# Altium PCB radxa_nx4_io_board_v1.11.PcbDoc (part 12 of 13)
Units mil, origin at the board's own origin, x right, y up, seen from the top; angles counter-clockwise.
Board outline 3937.01 x 3110.23 mil, 6 copper layers (TOP, GND02, ART03, ART04, GND05, BOTTOM), stack 47.2 mil thick; 639 components, 522 nets, 2442 pads, 1896 vias.
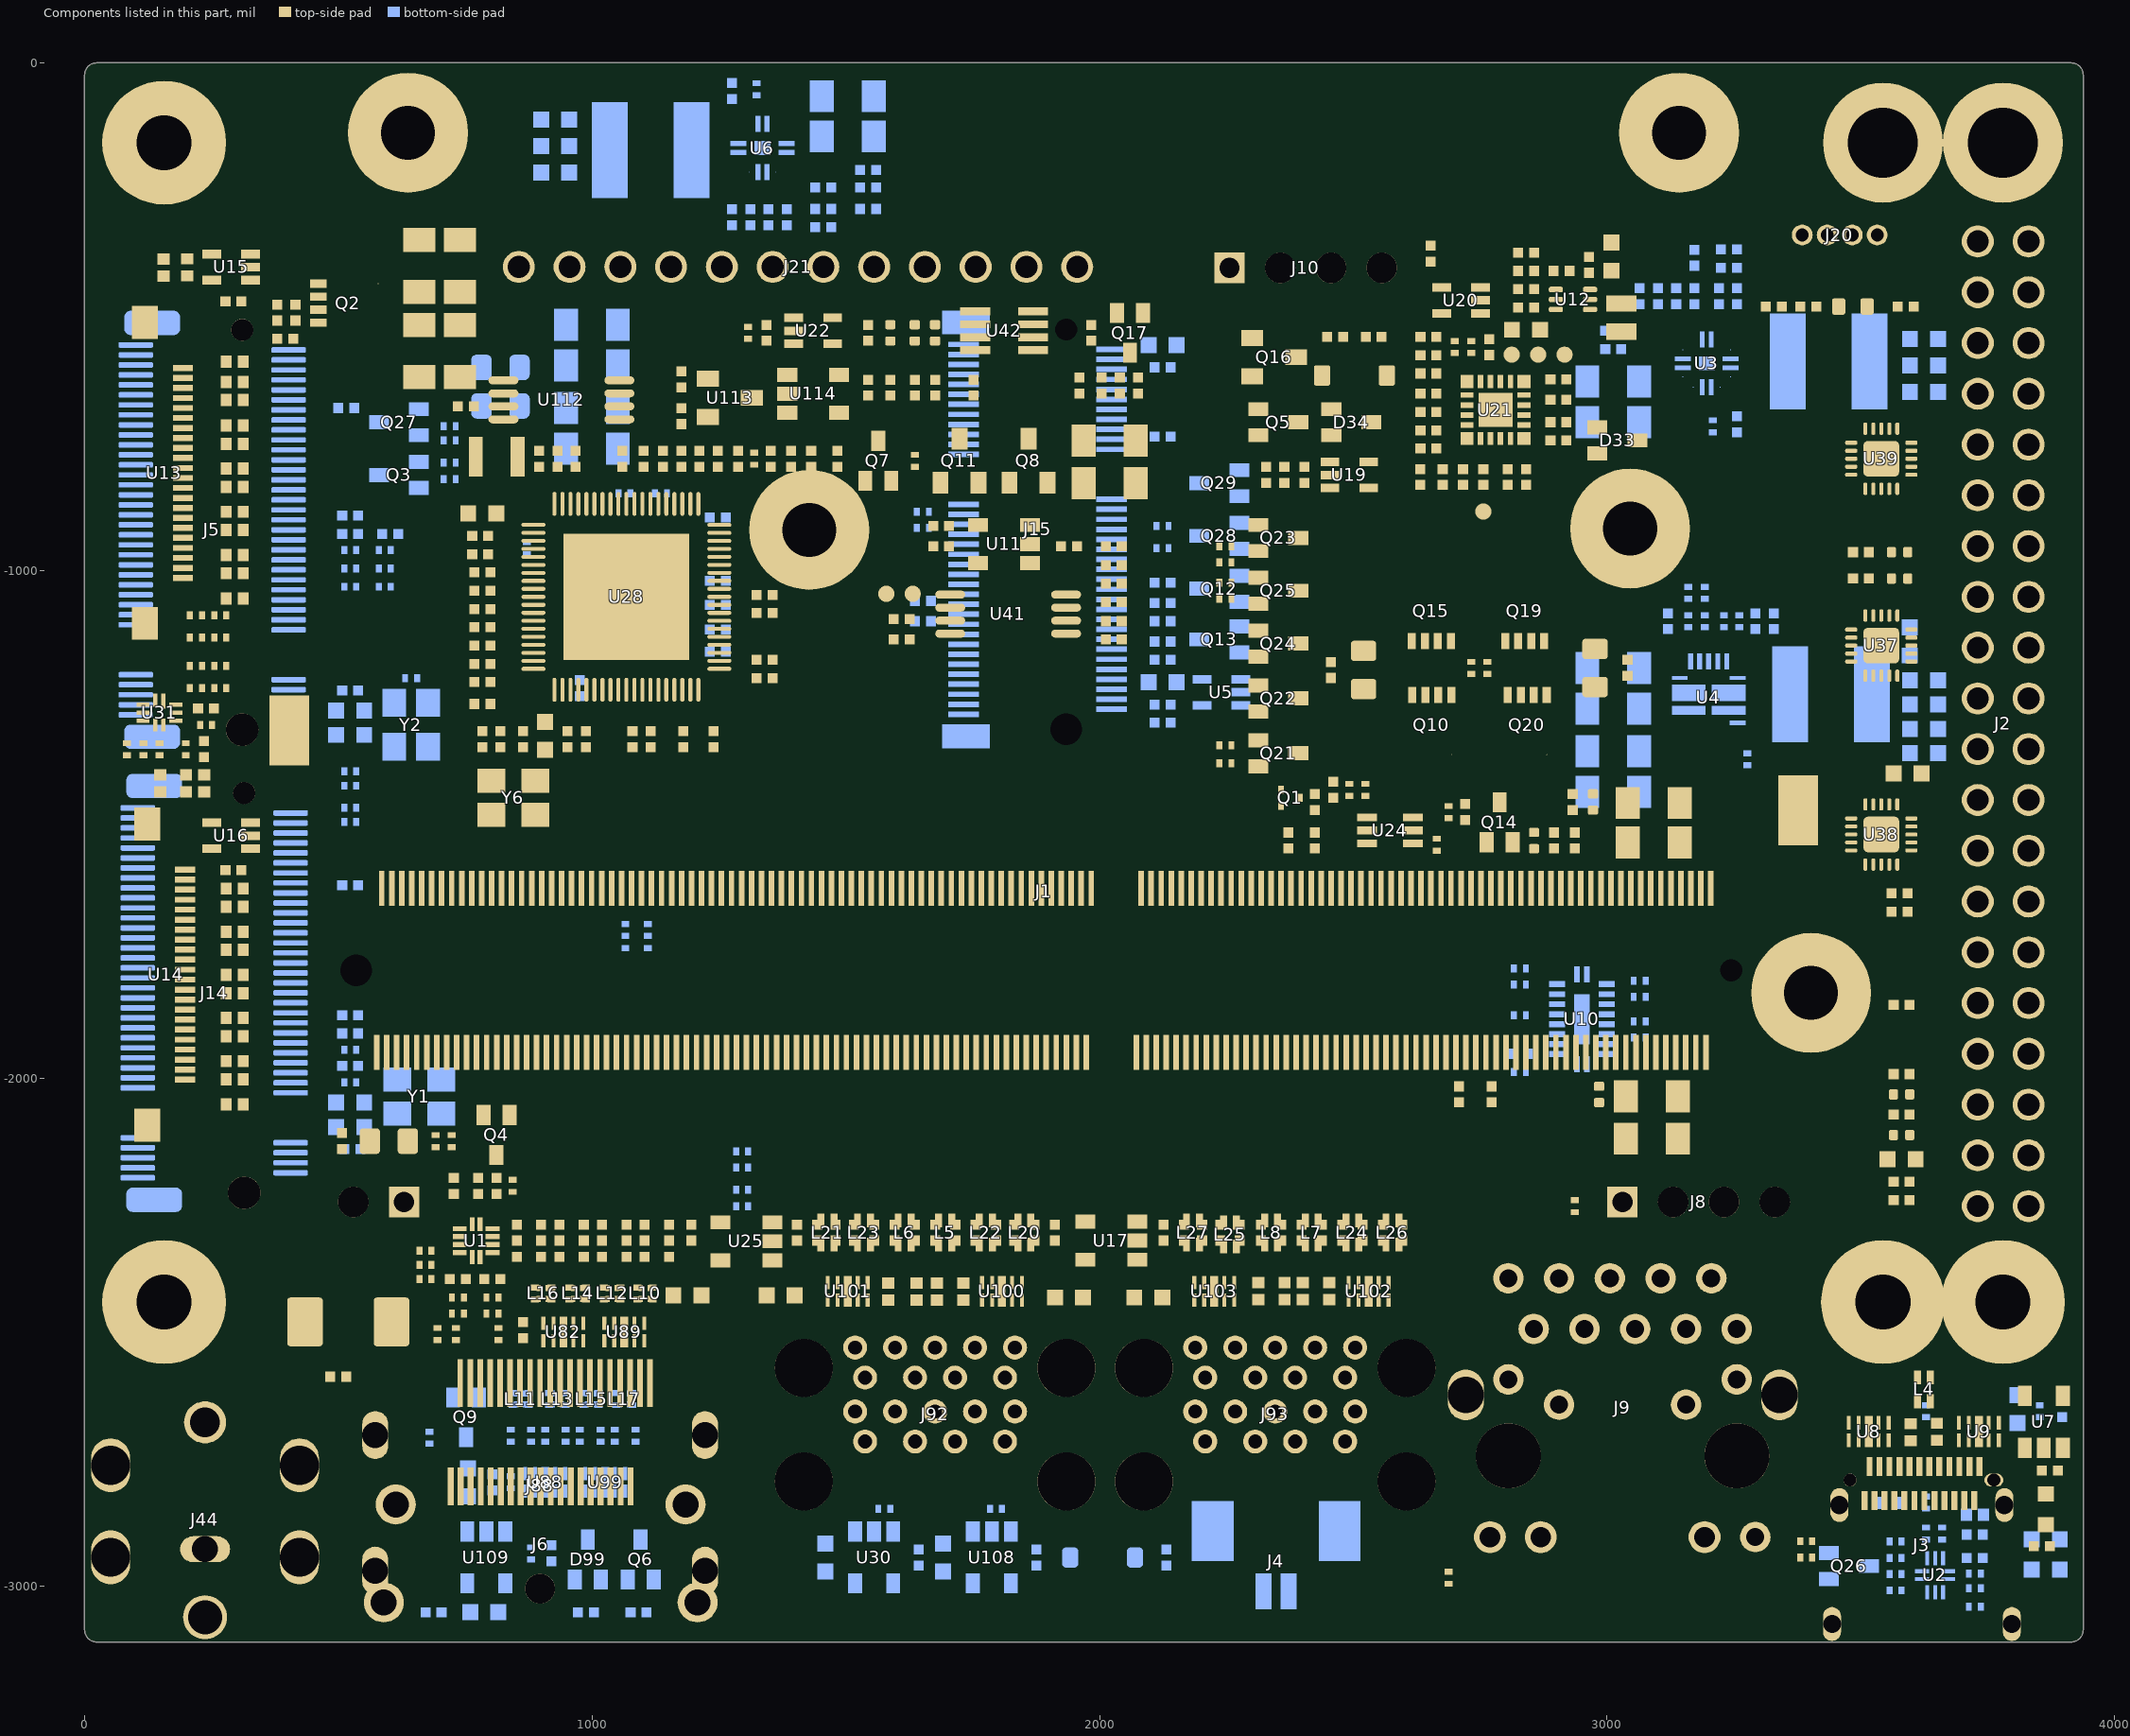
[diagram p16: the components of this part, seen from the top]

## Keep-outs (continued)
Multi-Layer:
  region: 1559.08,-2171.52 cw(c1558.84,-2158.46) 1560.87,-2145.56 1578.42,-2145.56 cw(c1579.77,-2158.55) 1581.11,-2171.54 1581.11,-2171.61 1559.08,-2171.61
  region: 3268.32,-2372.52 cw(c3255.26,-2372.76) 3242.36,-2370.73 3242.36,-2353.18 cw(c3255.35,-2351.83) 3268.34,-2350.49 3268.41,-2350.49 3268.41,-2372.52
  region: 1746.32,-1414.02 cw(c1746.08,-1400.96) 1748.11,-1388.06 1765.66,-1388.06 cw(c1767.01,-1401.05) 1768.35,-1414.04 1768.35,-1414.11 1746.32,-1414.11
  region: 163.02,-851.52 cw(c149.96,-851.76) 137.06,-849.73 137.06,-832.18 cw(c150.05,-830.83) 163.04,-829.49 163.11,-829.49 163.11,-851.52
  region: 163.02,-910.52 cw(c149.96,-910.76) 137.06,-908.73 137.06,-891.18 cw(c150.05,-889.83) 163.04,-888.49 163.11,-888.49 163.11,-910.52
  region: 2476.63,-2216.88 cw(c2476.39,-2203.82) 2478.42,-2190.92 2495.97,-2190.92 cw(c2497.32,-2203.91) 2498.66,-2216.9 2498.66,-2216.97 2476.63,-2216.97
  region: 1244.98,-1912.51 cw(c1244.74,-1899.45) 1246.77,-1886.55 1264.32,-1886.55 cw(c1265.67,-1899.54) 1267.01,-1912.53 1267.01,-1912.6 1244.98,-1912.6
  region: 3712.22,-2620.98 cw(c3712.46,-2634.04) 3710.43,-2646.94 3692.88,-2646.94 cw(c3691.53,-2633.95) 3690.19,-2620.96 3690.19,-2620.89 3712.22,-2620.89
  region: 1958.78,-1517.02 cw(c1958.54,-1503.96) 1960.57,-1491.06 1978.12,-1491.06 cw(c1979.47,-1504.05) 1980.81,-1517.04 1980.81,-1517.11 1958.78,-1517.11
  region: 2326.78,-2271.02 cw(c2326.54,-2257.96) 2328.57,-2245.06 2346.12,-2245.06 cw(c2347.47,-2258.05) 2348.81,-2271.04 2348.81,-2271.11 2326.78,-2271.11
  region: 2820.43,-2137.01 cw(c2820.19,-2123.95) 2822.22,-2111.05 2839.77,-2111.05 cw(c2841.12,-2124.04) 2842.46,-2137.03 2842.46,-2137.1 2820.43,-2137.1
  region: 1756.78,-1906.02 cw(c1756.54,-1892.96) 1758.57,-1880.06 1776.12,-1880.06 cw(c1777.47,-1893.05) 1778.81,-1906.04 1778.81,-1906.11 1756.78,-1906.11
  region: 651.02,-1836.22 cw(c637.96,-1836.46) 625.06,-1834.43 625.06,-1816.88 cw(c638.05,-1815.53) 651.04,-1814.19 651.11,-1814.19 651.11,-1836.22
  region: 1176.68,-1742.51 cw(c1176.44,-1729.45) 1178.47,-1716.55 1196.02,-1716.55 cw(c1197.37,-1729.54) 1198.71,-1742.53 1198.71,-1742.6 1176.68,-1742.6
  region: 2514.78,-1689.02 cw(c2514.54,-1675.96) 2516.57,-1663.06 2534.12,-1663.06 cw(c2535.47,-1676.05) 2536.81,-1689.04 2536.81,-1689.11 2514.78,-1689.11
  region: 1601.78,-2477.02 cw(c1601.54,-2463.96) 1603.57,-2451.06 1621.12,-2451.06 cw(c1622.47,-2464.05) 1623.81,-2477.04 1623.81,-2477.11 1601.78,-2477.11
  region: 279.69,-1102.23 cw(c268.25,-1108.12) 255.4,-1108.88 245.5,-1079.75 cw(c255.78,-1071.94) 268.55,-1070.05
  region: 1087.75,-1387.09 cw(c1087.51,-1374.03) 1089.54,-1361.13 1107.09,-1361.13 cw(c1108.44,-1374.12) 1109.78,-1387.11 1109.78,-1387.18 1087.75,-1387.18
  region: 747.02,-1032.22 cw(c733.96,-1032.46) 721.06,-1030.43 721.06,-1012.88 cw(c734.05,-1011.53) 747.04,-1010.19 747.11,-1010.19 747.11,-1032.22
  region: 218.78,-1221.02 cw(c218.54,-1207.96) 220.57,-1195.06 238.12,-1195.06 cw(c239.47,-1208.05) 240.81,-1221.04 240.81,-1221.11 218.78,-1221.11
  region: 793.02,-1988.99 cw(c793.26,-2002.05) 791.23,-2014.95 773.68,-2014.95 cw(c772.33,-2001.96) 770.99,-1988.97 770.99,-1988.9 793.02,-1988.9
  region: 2944.56,-2172.06 cw(c2944.32,-2159) 2946.35,-2146.1 2963.9,-2146.1 cw(c2965.25,-2159.09) 2966.59,-2172.08 2966.59,-2172.15 2944.56,-2172.15
  region: 1634.78,-1349.02 cw(c1634.54,-1335.96) 1636.57,-1323.06 1654.12,-1323.06 cw(c1655.47,-1336.05) 1656.81,-1349.04 1656.81,-1349.11 1634.78,-1349.11
  region: 270.19,-1246.94 cw(c257.32,-1246.97) 245.54,-1241.79 250,-1211.35 cw(c262.71,-1209.08) 274.93,-1213.22
  region: 650.12,-1787.22 cw(c637.06,-1787.46) 624.16,-1785.43 624.16,-1767.88 cw(c637.15,-1766.53) 650.14,-1765.19 650.21,-1765.19 650.21,-1787.22
  region: 1349.78,-1349.02 cw(c1349.54,-1335.96) 1351.57,-1323.06 1369.12,-1323.06 cw(c1370.47,-1336.05) 1371.81,-1349.04 1371.81,-1349.11 1349.78,-1349.11
  region: 467.02,-1719.22 cw(c453.96,-1719.46) 441.06,-1717.43 441.06,-1699.88 cw(c454.05,-1698.53) 467.04,-1697.19 467.11,-1697.19 467.11,-1719.22
  region: 1101.01,-1732.02 cw(c1087.95,-1732.26) 1075.05,-1730.23 1075.05,-1712.68 cw(c1088.04,-1711.33) 1101.03,-1709.99 1101.1,-1709.99 1101.1,-1732.02
  region: 1074.52,-2078.98 cw(c1074.76,-2092.04) 1072.73,-2104.94 1055.18,-2104.94 cw(c1053.83,-2091.95) 1052.49,-2078.96 1052.49,-2078.89 1074.52,-2078.89
  region: 1475.78,-1419.02 cw(c1475.54,-1405.96) 1477.57,-1393.06 1495.12,-1393.06 cw(c1496.47,-1406.05) 1497.81,-1419.04 1497.81,-1419.11 1475.78,-1419.11
  region: 986.72,-1852.61 cw(c999.78,-1852.37) 1012.68,-1854.4 1012.68,-1871.95 cw(c999.69,-1873.3) 986.7,-1874.64 986.63,-1874.64 986.63,-1852.61
  region: 950.22,-2857.99 cw(c950.46,-2871.05) 948.43,-2883.95 930.88,-2883.95 cw(c929.53,-2870.96) 928.19,-2857.97 928.19,-2857.9 950.22,-2857.9
  region: 965.22,-1781.29 cw(c965.46,-1794.35) 963.43,-1807.25 945.88,-1807.25 cw(c944.53,-1794.26) 943.19,-1781.27 943.19,-1781.2 965.22,-1781.2
  region: 2486.78,-2276.02 cw(c2486.54,-2262.96) 2488.57,-2250.06 2506.12,-2250.06 cw(c2507.47,-2263.05) 2508.81,-2276.04 2508.81,-2276.11 2486.78,-2276.11
  region: 1664.78,-2172.02 cw(c1664.54,-2158.96) 1666.57,-2146.06 1684.12,-2146.06 cw(c1685.47,-2159.05) 1686.81,-2172.04 1686.81,-2172.11 1664.78,-2172.11
  region: 677.02,-1069.22 cw(c663.96,-1069.46) 651.06,-1067.43 651.06,-1049.88 cw(c664.05,-1048.53) 677.04,-1047.19 677.11,-1047.19 677.11,-1069.22
  region: 1132.68,-1893.51 cw(c1132.44,-1880.45) 1134.47,-1867.55 1152.02,-1867.55 cw(c1153.37,-1880.54) 1154.71,-1893.53 1154.71,-1893.6 1132.68,-1893.6
  region: 946.52,-2079.98 cw(c946.76,-2093.04) 944.73,-2105.94 927.18,-2105.94 cw(c925.83,-2092.95) 924.49,-2079.96 924.49,-2079.89 946.52,-2079.89
  region: 1206.48,-1551.22 cw(c1206.24,-1538.16) 1208.27,-1525.26 1225.82,-1525.26 cw(c1227.17,-1538.25) 1228.51,-1551.24 1228.51,-1551.31 1206.48,-1551.31
  region: 2575.56,-1733.99 cw(c2575.32,-1720.93) 2577.35,-1708.03 2594.9,-1708.03 cw(c2596.25,-1721.02) 2597.59,-1734.01 2597.59,-1734.08 2575.56,-1734.08
  region: 480.52,-1112.22 cw(c467.46,-1112.46) 454.56,-1110.43 454.56,-1092.88 cw(c467.55,-1091.53) 480.54,-1090.19 480.61,-1090.19 480.61,-1112.22
  region: 473.06,-901.05 cw(c460,-901.29) 447.1,-899.26 447.1,-881.71 cw(c460.09,-880.36) 473.08,-879.02 473.15,-879.02 473.15,-901.05
  region: 3771.37,-2576.35 cw(c3771.61,-2589.41) 3769.58,-2602.31 3752.03,-2602.31 cw(c3750.68,-2589.32) 3749.34,-2576.33 3749.34,-2576.26 3771.37,-2576.26
  region: 962.97,-1434.37 cw(c949.91,-1434.61) 937.01,-1432.58 937.01,-1415.03 cw(c950,-1413.68) 962.99,-1412.34 963.06,-1412.34 963.06,-1434.37
  region: 1585.27,-1419.08 cw(c1585.03,-1406.02) 1587.06,-1393.12 1604.61,-1393.12 cw(c1605.96,-1406.11) 1607.3,-1419.1 1607.3,-1419.17 1585.27,-1419.17
  region: 885.02,-2034.42 cw(c871.96,-2034.66) 859.06,-2032.63 859.06,-2015.08 cw(c872.05,-2013.73) 885.04,-2012.39 885.11,-2012.39 885.11,-2034.42
  region: 2629.78,-1689.02 cw(c2629.54,-1675.96) 2631.57,-1663.06 2649.12,-1663.06 cw(c2650.47,-1676.05) 2651.81,-1689.04 2651.81,-1689.11 2629.78,-1689.11
  region: 1914.78,-2009.02 cw(c1914.54,-1995.96) 1916.57,-1983.06 1934.12,-1983.06 cw(c1935.47,-1996.05) 1936.81,-2009.04 1936.81,-2009.11 1914.78,-2009.11
  region: 2450.05,-1745.15 cw(c2449.81,-1732.09) 2451.84,-1719.19 2469.39,-1719.19 cw(c2470.74,-1732.18) 2472.08,-1745.17 2472.08,-1745.24 2450.05,-1745.24
  region: 1770.78,-2171.32 cw(c1770.54,-2158.26) 1772.57,-2145.36 1790.12,-2145.36 cw(c1791.47,-2158.35) 1792.81,-2171.34 1792.81,-2171.41 1770.78,-2171.41
  region: 911.22,-1887.99 cw(c911.46,-1901.05) 909.43,-1913.95 891.88,-1913.95 cw(c890.53,-1900.96) 889.19,-1887.97 889.19,-1887.9 911.22,-1887.9
  region: 3495.22,-2730.98 cw(c3495.46,-2744.04) 3493.43,-2756.94 3475.88,-2756.94 cw(c3474.53,-2743.95) 3473.19,-2730.96 3473.19,-2730.89 3495.22,-2730.89
  region: 464.97,-1783.01 cw(c451.91,-1783.25) 439.01,-1781.22 439.01,-1763.67 cw(c452,-1762.32) 464.99,-1760.98 465.06,-1760.98 465.06,-1783.01
  region: 480.52,-1067.22 cw(c467.46,-1067.46) 454.56,-1065.43 454.56,-1047.88 cw(c467.55,-1046.53) 480.54,-1045.19 480.61,-1045.19 480.61,-1067.22
  region: 1903.78,-2089.02 cw(c1903.54,-2075.96) 1905.57,-2063.06 1923.12,-2063.06 cw(c1924.47,-2076.05) 1925.81,-2089.04 1925.81,-2089.11 1903.78,-2089.11
  region: 1032.78,-1567.02 cw(c1032.54,-1553.96) 1034.57,-1541.06 1052.12,-1541.06 cw(c1053.47,-1554.05) 1054.81,-1567.04 1054.81,-1567.11 1032.78,-1567.11
  region: 747.02,-1104.22 cw(c733.96,-1104.46) 721.06,-1102.43 721.06,-1084.88 cw(c734.05,-1083.53) 747.04,-1082.19 747.11,-1082.19 747.11,-1104.22
  region: 1077.78,-1687.01 cw(c1077.54,-1673.95) 1079.57,-1661.05 1097.12,-1661.05 cw(c1098.47,-1674.04) 1099.81,-1687.03 1099.81,-1687.1 1077.78,-1687.1
  region: 2775.9,-2226.01 cw(c2775.66,-2212.95) 2777.69,-2200.05 2795.24,-2200.05 cw(c2796.59,-2213.04) 2797.93,-2226.03 2797.93,-2226.1 2775.9,-2226.1
  region: 2347.78,-1911.02 cw(c2347.54,-1897.96) 2349.57,-1885.06 2367.12,-1885.06 cw(c2368.47,-1898.05) 2369.81,-1911.04 2369.81,-1911.11 2347.78,-1911.11
  region: 836.22,-1787.29 cw(c836.46,-1800.35) 834.43,-1813.25 816.88,-1813.25 cw(c815.53,-1800.26) 814.19,-1787.27 814.19,-1787.2 836.22,-1787.2
  region: 1066.22,-2857.99 cw(c1066.46,-2871.05) 1064.43,-2883.95 1046.88,-2883.95 cw(c1045.53,-2870.96) 1044.19,-2857.97 1044.19,-2857.9 1066.22,-2857.9
  region: 676.42,-1006.22 cw(c663.36,-1006.46) 650.46,-1004.43 650.46,-986.88 cw(c663.45,-985.53) 676.44,-984.19 676.51,-984.19 676.51,-1006.22
  region: 2327.78,-2501.02 cw(c2327.54,-2487.96) 2329.57,-2475.06 2347.12,-2475.06 cw(c2348.47,-2488.05) 2349.81,-2501.04 2349.81,-2501.11 2327.78,-2501.11
  region: 2285.25,-1868.61 cw(c2285.01,-1855.55) 2287.04,-1842.65 2304.59,-1842.65 cw(c2305.94,-1855.64) 2307.28,-1868.63 2307.28,-1868.7 2285.25,-1868.7
  region: 2246.78,-2217.02 cw(c2246.54,-2203.96) 2248.57,-2191.06 2266.12,-2191.06 cw(c2267.47,-2204.05) 2268.81,-2217.04 2268.81,-2217.11 2246.78,-2217.11
  region: 1506.78,-2126.02 cw(c1506.54,-2112.96) 1508.57,-2100.06 1526.12,-2100.06 cw(c1527.47,-2113.05) 1528.81,-2126.04 1528.81,-2126.11 1506.78,-2126.11
  region: 1611.78,-2126.52 cw(c1611.54,-2113.46) 1613.57,-2100.56 1631.12,-2100.56 cw(c1632.47,-2113.55) 1633.81,-2126.54 1633.81,-2126.61 1611.78,-2126.61
  region: 3319.72,-2375.52 cw(c3306.66,-2375.76) 3293.76,-2373.73 3293.76,-2356.18 cw(c3306.75,-2354.83) 3319.74,-2353.49 3319.81,-2353.49 3319.81,-2375.52
  region: 1351.78,-1841.01 cw(c1351.54,-1827.95) 1353.57,-1815.05 1371.12,-1815.05 cw(c1372.47,-1828.04) 1373.81,-1841.03 1373.81,-1841.1 1351.78,-1841.1
  region: 1206.22,-1986.99 cw(c1206.46,-2000.05) 1204.43,-2012.95 1186.88,-2012.95 cw(c1185.53,-1999.96) 1184.19,-1986.97 1184.19,-1986.9 1206.22,-1986.9
  region: 1286.78,-1349.02 cw(c1286.54,-1335.96) 1288.57,-1323.06 1306.12,-1323.06 cw(c1307.47,-1336.05) 1308.81,-1349.04 1308.81,-1349.11 1286.78,-1349.11
  region: 3774.22,-2728.98 cw(c3774.46,-2742.04) 3772.43,-2754.94 3754.88,-2754.94 cw(c3753.53,-2741.95) 3752.19,-2728.96 3752.19,-2728.89 3774.22,-2728.89
  region: 1077.78,-1809.01 cw(c1077.54,-1795.95) 1079.57,-1783.05 1097.12,-1783.05 cw(c1098.47,-1796.04) 1099.81,-1809.03 1099.81,-1809.1 1077.78,-1809.1
  region: 961.78,-1693.01 cw(c961.54,-1679.95) 963.57,-1667.05 981.12,-1667.05 cw(c982.47,-1680.04) 983.81,-1693.03 983.81,-1693.1 961.78,-1693.1
  region: 1716.98,-2127.02 cw(c1716.74,-2113.96) 1718.77,-2101.06 1736.32,-2101.06 cw(c1737.67,-2114.05) 1739.01,-2127.04 1739.01,-2127.11 1716.98,-2127.11
  region: 1412.78,-1349.02 cw(c1412.54,-1335.96) 1414.57,-1323.06 1432.12,-1323.06 cw(c1433.47,-1336.05) 1434.81,-1349.04 1434.81,-1349.11 1412.78,-1349.11
  region: 751.02,-1484.22 cw(c737.96,-1484.46) 725.06,-1482.43 725.06,-1464.88 cw(c738.05,-1463.53) 751.04,-1462.19 751.11,-1462.19 751.11,-1484.22
  region: 1006.22,-2857.99 cw(c1006.46,-2871.05) 1004.43,-2883.95 986.88,-2883.95 cw(c985.53,-2870.96) 984.19,-2857.97 984.19,-2857.9 1006.22,-2857.9
  region: 1471.78,-1849.01 cw(c1471.54,-1835.95) 1473.57,-1823.05 1491.12,-1823.05 cw(c1492.47,-1836.04) 1493.81,-1849.03 1493.81,-1849.1 1471.78,-1849.1
  region: 1939.78,-1741.02 cw(c1939.54,-1727.96) 1941.57,-1715.06 1959.12,-1715.06 cw(c1960.47,-1728.05) 1961.81,-1741.04 1961.81,-1741.11 1939.78,-1741.11
  region: 1943.78,-1697.02 cw(c1943.54,-1683.96) 1945.57,-1671.06 1963.12,-1671.06 cw(c1964.47,-1684.05) 1965.81,-1697.04 1965.81,-1697.11 1943.78,-1697.11
  region: 888.22,-2866.99 cw(c888.46,-2880.05) 886.43,-2892.95 868.88,-2892.95 cw(c867.53,-2879.96) 866.19,-2866.97 866.19,-2866.9 888.22,-2866.9
  region: 1608.82,-1201.22 cw(c1595.76,-1201.46) 1582.86,-1199.43 1582.86,-1181.88 cw(c1595.85,-1180.53) 1608.84,-1179.19 1608.91,-1179.19 1608.91,-1201.22
  region: 1010.62,-2078.98 cw(c1010.86,-2092.04) 1008.83,-2104.94 991.28,-2104.94 cw(c989.93,-2091.95) 988.59,-2078.96 988.59,-2078.89 1010.62,-2078.89
  region: 3753.86,-2811.25 3769.61,-2811.25 ccw(c3769.61,-2791.57) 3769.61,-2771.88 3753.86,-2771.88 ccw(c3753.86,-2791.57)
  region: 1359.86,-1279.05 cw(c1359.62,-1265.99) 1361.65,-1253.09 1379.2,-1253.09 cw(c1380.55,-1266.08) 1381.89,-1279.07 1381.89,-1279.14 1359.86,-1279.14
  region: 2237.06,-1470.06 cw(c2236.82,-1457) 2238.85,-1444.1 2256.4,-1444.1 cw(c2257.75,-1457.09) 2259.09,-1470.08 2259.09,-1470.15 2237.06,-1470.15
  region: 1806.78,-1545.02 cw(c1806.54,-1531.96) 1808.57,-1519.06 1826.12,-1519.06 cw(c1827.47,-1532.05) 1828.81,-1545.04 1828.81,-1545.11 1806.78,-1545.11
  region: 2362.78,-2218.02 cw(c2362.54,-2204.96) 2364.57,-2192.06 2382.12,-2192.06 cw(c2383.47,-2205.05) 2384.81,-2218.04 2384.81,-2218.11 2362.78,-2218.11
  region: 882.22,-1833.49 cw(c882.46,-1846.55) 880.43,-1859.45 862.88,-1859.45 cw(c861.53,-1846.46) 860.19,-1833.47 860.19,-1833.4 882.22,-1833.4
  region: 790.72,-1886.99 cw(c790.96,-1900.05) 788.93,-1912.95 771.38,-1912.95 cw(c770.03,-1899.96) 768.69,-1886.97 768.69,-1886.9 790.72,-1886.9
  region: 1486.78,-1800.01 cw(c1486.54,-1786.95) 1488.57,-1774.05 1506.12,-1774.05 cw(c1507.47,-1787.04) 1508.81,-1800.03 1508.81,-1800.1 1486.78,-1800.1
  region: 2248.78,-1718.02 cw(c2248.54,-1704.96) 2250.57,-1692.06 2268.12,-1692.06 cw(c2269.47,-1705.05) 2270.81,-1718.04 2270.81,-1718.11 2248.78,-1718.11
  region: 2172.78,-2271.02 cw(c2172.54,-2257.96) 2174.57,-2245.06 2192.12,-2245.06 cw(c2193.47,-2258.05) 2194.81,-2271.04 2194.81,-2271.11 2172.78,-2271.11
  region: 1138.22,-2078.98 cw(c1138.46,-2092.04) 1136.43,-2104.94 1118.88,-2104.94 cw(c1117.53,-2091.95) 1116.19,-2078.96 1116.19,-2078.89 1138.22,-2078.89
  region: 2703.79,-2153.9 cw(c2703.55,-2140.84) 2705.58,-2127.94 2723.13,-2127.94 cw(c2724.48,-2140.93) 2725.82,-2153.92 2725.82,-2153.99 2703.79,-2153.99
  region: 521.02,-845.12 cw(c507.96,-845.36) 495.06,-843.33 495.06,-825.78 cw(c508.05,-824.43) 521.04,-823.09 521.11,-823.09 521.11,-845.12
  region: 1262.78,-1803.01 cw(c1262.54,-1789.95) 1264.57,-1777.05 1282.12,-1777.05 cw(c1283.47,-1790.04) 1284.81,-1803.03 1284.81,-1803.1 1262.78,-1803.1
  region: 217.78,-1123.02 cw(c217.54,-1109.96) 219.57,-1097.06 237.12,-1097.06 cw(c238.47,-1110.05) 239.81,-1123.04 239.81,-1123.11 217.78,-1123.11
  region: 2778.99,-2397.32 2820.23,-2370.97 2835.19,-2385.93 2883.62,-2485.35 2883.62,-2492.21 2841.54,-2519.49 2838.73,-2519.49 2830.19,-2510.95 2778.99,-2411.21
  region: 2306.27,-2618.45 2386.07,-2618.45 2386.07,-2561.4 2306.27,-2561.4
  region: 1754.48,-2559.15 1833.32,-2559.15 1833.32,-2502.27 1754.48,-2502.27
  region: 1753.92,-2684.44 1833.87,-2684.44 1833.87,-2627.89 1753.92,-2627.89
  region: 3502.35,-2791.57 3500.52,-2782.35 3495.3,-2774.54 3487.49,-2769.32 3478.27,-2767.49 3469.05,-2769.32 3466.43,-2771.07 3461.24,-2774.54 3456.02,-2782.35 3454.19,-2791.57 3456.02,-2800.79 3461.24,-2808.6 3466.43,-2812.07 3469.05,-2813.82 3478.27,-2815.65 3487.49,-2813.82 3495.3,-2808.6 3500.52,-2800.79 3502.35,-2791.57
  region: 2306.8,-2687.03 2306.8,-2743.9 2387.8,-2743.9 2387.8,-2687.03
  region: 2188.05,-2682.44 2267.86,-2682.44 2267.86,-2627.93 2188.05,-2627.93
  region: 3077.8,-2395.82 3116.5,-2371.1 3124.41,-2371.1 3130.95,-2377.64 3185.16,-2488.93 3145.42,-2514.69 3133.88,-2514.69 3128.54,-2509.35 3077.8,-2410.5
  region: 1630.85,-2743.22 1721.15,-2743.22 1721.15,-2687.56 1630.85,-2687.56
  region: 2418.85,-2558.83 2509.15,-2558.83 2509.15,-2503.02 2418.85,-2503.02
  region: 2423.93,-2685.02 2504.28,-2685.02 2504.28,-2627.91 2423.93,-2627.91
  region: 3178.51,-2395.37 3218.86,-2369.58 3231.49,-2382.21 3233.51,-2382.21 3284,-2485.85 3284,-2486.74 3284,-2487.95 3283.98,-2487.97 3284,-2488 3284,-2489.68 3249.06,-2512.34 3231.34,-2512.34 3178.51,-2409.42
  region: 1517.51,-2682.62 1598.27,-2682.62 1598.27,-2628.13 1517.51,-2628.13
  region: 2188.62,-2556.33 2267.87,-2556.33 2267.87,-2501.94 2188.62,-2501.94
  region: 1518.48,-2556.5 1598.42,-2556.5 1598.42,-2502.11 1518.48,-2502.11
  region: 1636.27,-2618.13 1715.67,-2618.13 1715.67,-2561 1636.27,-2561

## Other copper
GND02:
  pour cut-out: 1104,-1368 1098.26,-1368 1098.26,-1355.54 1104,-1355.54

## Silkscreen, mask and mechanical layers (free items; w line width, h text height)
Top Overlay:
  lines w15: 2796.27,-2275.15 2797.77,-2276.65 2797.77,-2286.15 ; 2797.77,-2286.15 2794.77,-2286.15 2778.27,-2269.65 2814.27,-2269.65 2797.77,-2286.15
  text "CAM0" at 50,-1195.5 h31
  text "CAM1" at 62,-2187.5 h31
Bottom Overlay:
  drawing of 107024 lines, arcs and shapes, not listed
  text "UART RXD" at 1839.7,-188 h31 r270
  text "UART TXD" at 1735.7,-196 h31 r270
  text "CAN_RX" at 2514.49,-218.5 h31 r270
  text "CAN_TX" at 2618.83,-218.5 h31 r270
  text "PWR BTN" at 911.3,-220 h31 r270
  text "VDD_5V" at 1912.06,-228 h31 r270
  text "PIN 1" at 1990.5,-236 h31 r270
  text "TACH" at 3445.51,-255.02 h31 r270
  text "3V3" at 2308.7,-264 h31 r90
  text "GND" at 2377.7,-268 h31 r270
  text "PWM" at 3381.7,-268 h31 r270
  text "GND" at 965.7,-284 h31 r270
  text "40" at 3614.06,-321.45 h31 r270
  text "GND" at 3681.58,-321.45 h31 r270
  text "VDD" at 3502.32,-412.8 h31 r270
  text "GND" at 3551.53,-412.8 h31 r270
  text "38" at 3614.06,-419.87 h31 r270
  text "37" at 3669.18,-419.87 h31 r270
  text "36" at 3680.8,-511.5 h31
  text "GND" at 1189.7,-524 h31 r270
  text "DISABLE" at 1609.5,-537 h25 r270
  text "GND" at 1381.7,-552 h31 r270
  text "35" at 3909.3,-556 h31 r270
  text "FC REC" at 1166.9,-572 h31 r270
  text "AUTO ON" at 1523.3,-588 h31 r270
  text "SYS RST" at 1327.3,-592 h31 r270
  text "33" at 3909.3,-648 h31 r270
  text "GND" at 3695.2,-711.5 h31
  text "32" at 3622.06,-759.09 h31 r270
  text "31" at 3677.18,-759.09 h31 r270
  text "GND" at 3630.46,-845.45 h31 r270
  text "29" at 3673.18,-845.45 h31 r270
  text "28" at 3618.06,-943.87 h31 r270
  text "27" at 3673.18,-943.87 h31 r270
  text "26" at 3618.06,-1034.24 h31 r270
  text "GND" at 3685.58,-1034.24 h31 r270
  text "24" at 3669.3,-1144 h31 r270
  text "23" at 3905.3,-1148 h31 r270
  text "21" at 3905.18,-1251.02 h31 r270
  text "22" at 3756.8,-1315.5 h31
  text "19" at 3905.18,-1349.45 h31 r270
  text "GND" at 3768.2,-1415.5 h31
  text "18" at 3596.8,-1511.5 h31
  text "3V3" at 3689.2,-1511.5 h31
  text "16" at 3622.06,-1570.24 h31 r270
  text "15" at 3677.18,-1570.24 h31 r270
  text "GND" at 3634.46,-1656.66 h31 r270
  text "13" at 3677.18,-1656.66 h31 r270
  text "12" at 3622.06,-1755.02 h31 r270
  text "11" at 3677.18,-1755.02 h31 r270
  text "10" at 3622.06,-1853.45 h31 r270
  text "GND" at 3689.58,-1853.45 h31 r270
  text "8" at 3609.66,-1947.94 h31 r270
  text "7" at 3664.78,-1947.94 h31 r270
  text "GND" at 3634.46,-2042.43 h31 r270
  text "5" at 3664.78,-2042.43 h31 r270
  text "5V" at 3622.06,-2148.72 h31 r270
  text "3" at 3664.78,-2148.72 h31 r270
  text "5V" at 3622.06,-2251.09 h31 r270
  text "3V3" at 3689.58,-2251.09 h31 r270
  text "POE" at 3558.5,-2271.5 h31
  text "Radxa C200  V1.11" at 2336.5,-2372.67 h50
OUTLINE:
  the board outline again, w1
DIMENSION:
  drawing of 218 lines, arcs and shapes, not listed
  text "Board Thickness:1.60 mm+/-10%" at 2467.88,2190.22 h31
  text "Board Name:C200_X1.1" at -30,2175.33 h31
  text "Panel Mode:" at 2455.87,2057.68 h31
  text "Layers:06" at 904.89,2056.37 h31
  text "1x1" at 2962.17,2051.77 h31
  text "Silkscreen Color:" at -48.85,1915.16 h31
  text "White" at 1012.57,1902.17 h31
  text "Yellow" at 1794.06,1902.17 h31
  text "Black" at 2587.37,1902.17 h31
  text "XXXXX" at 3374.77,1894.29 h31
  text "Soldermask Color:" at -48.85,1777.36 h31
  text "YELLOW" at 3374.77,1776.18 h31
  text "Blue" at 1805.48,1765.94 h31
  text "Red" at 2581.46,1765.94 h31
  text "Matte black" at 1017,1759 h31
  text "HASL(Sn/Pb)" at 1009.02,1629.72 h31
  text "Immersion Gold(ENIG)" at 2580.28,1629.72 h31
  text "HASL(Pb-Free)" at 1799.18,1626.18 h31
  text "OSP" at 1016.11,1493.5 h31
  text "ImAg" at 1793.67,1492.72 h31
  text "ImSn" at 2577.13,1488.78 h31
  text "XXXXX" at 3369.26,1484.84 h31
  text "Surface Finished" at -55.94,1441.54 h31
  text "Golden Finger,Others HASL(Pb-Free)" at 1029.89,1358.86 h31
  text "Golden Finger,Others ENIG" at 2588.94,1350.98 h31
  text "Golden Finger,Others HASL(Sn/Pb)" at 1029.89,1221.06 h31
  text "Golden Finger,Others OSP" at 2588.94,1213.19 h31
  text "Other" at 1794.85,1072.24 h31
  text "Dielectric Material:" at -48.85,1070.67 h31
  text "S1000-2" at 1018.08,1070.67 h31
  text "Default" at 1025.95,941.54 h31
  text "Mid-Tg" at 1807.84,940.75 h31
  text "Hi-Tg" at 2595.24,940.75 h31
  text "XXXXX" at 3369.26,933.66 h31
  text "150" at 2085.01,930.51 h31
  text "170" at 2829.1,928.94 h31
  text "C" at 2227.92,928.15 h31
  text "C" at 2972.02,926.57 h31
  text "Tg:" at -45.7,868.7 h31
  text "If the number of layer  10, TG must be  170" at 894.65,796.52 h31
  text "C" at 2717.3,796.2 h31
  text "Compare With IPC File:" at -50.82,673.82 h31
  text "Yes" at 1029.89,664.76 h31
  text "No" at 1797.61,660.83 h31
  text "xxxxx" at 1558.63,525 h31
  text "Short Net Name:" at 905.48,523.43 h31
  text "[XX]" at 567.29,473.03 h31
  text "Short Net NO." at -50.43,465.16 h31
  text "DESIGN BY RADXA" at -33,263 h31
  text "Single Impedance" at 365.53,-3527.81 h31
  text "Layer" at 1131.85,-3527.81 h31
  text "Trace Width(mil)" at 1625.37,-3527.81 h31
  text "Tolerance" at 2263.35,-3527.81 h31
  text "Frequency(MHZ)" at 2713.16,-3527.81 h31
  text "Remark" at 3402.91,-3527.81 h31
  text "50.00" at 501.93,-3627.81 h31
  text "1/3/4/6" at 1107.05,-3627.81 h31
  text "5.0" at 1786.57,-3627.81 h31
  text "+/-5" at 2325.35,-3627.81 h31
  text "Default" at 2799.96,-3627.81 h31
  text "Diff Impedance" at 386.33,-3798.81 h31
  text "Layer" at 1127.85,-3798.81 h31
  text "Trace W/S(mil)" at 1646.17,-3798.81 h31
  text "Tolerance" at 2259.35,-3798.81 h31
  text "Frequency(MHZ)" at 2709.16,-3798.81 h31
  text "Remark" at 3398.91,-3798.81 h31
  text "95.00" at 497.93,-3898.81 h31
  text "1/6" at 1152.65,-3898.81 h31
  text "3.94/8.7" at 1720.57,-3898.81 h31
  text "+/-10%" at 2296.55,-3898.81 h31
  text "Default" at 2795.96,-3898.81 h31
  text "95.00" at 497.93,-3998.81 h31
  text "3/4" at 1152.65,-3998.81 h31
  text "3.11/8.03" at 1708.17,-3998.81 h31
  text "+/-10%" at 2296.55,-3998.81 h31
  text "Default" at 2795.96,-3998.81 h31
  text "90.00" at 497.93,-4098.81 h31
  text "4.06/6.3" at 1720.57,-4098.81 h31
  text "+/-10%" at 2296.55,-4098.81 h31
  text "Default" at 2795.96,-4098.81 h31
  text "1/6" at 1146.8,-4100.67 h31
  text "90.00" at 497.93,-4198.81 h31
  text "3/4" at 1152.65,-4198.81 h31
  text "3.15/5.91" at 1708.17,-4198.81 h31
  text "+/-10%" at 2296.55,-4198.81 h31
  text "Default" at 2795.96,-4198.81 h31
NCLEGEND-1-6:
  circle w1: c-4560.5,463 r25
  circle w1: c-4560.5,-287 r25
  circle w1: c-4560.5,-537 r25
  circle w1: c-4560.5,963 r25
  circle w1: c-4560.5,-1537 r25
  circle w1: c-4560.5,1213 r25
  circle w1: c-4560.5,1463 r25
  circle w1: c-4560.5,-37 r25
  circle w1: c-4560.5,-1287 r25
  circle w1: c-4560.5,713 r25
  circle w1: c-4560.5,-787 r25
  circle w1: c-4560.5,-1037 r25
  circle w1: c-4560.5,-1787 r25
  circle w1: c-4560.5,1713 r25
  circle w1: c-4560.5,213 r25
  lines w1: -5010,-4412 -174,-4412 ; -5010,-4162 -174,-4162 ; -5010,-3912 -174,-3912 ; -5010,-3662 -174,-3662 ; -5010,-3412 -174,-3412 ; -5010,-3162 -174,-3162 ; -5010,-2912 -174,-2912 ; -5010,-2662 -174,-2662 ; -5010,-2412 -174,-2412 ; -5010,-2162 -174,-2162 ; -5010,-1912 -174,-1912 ; -5010,-1662 -174,-1662 ; -5010,-1412 -174,-1412 ; -5010,-1162 -174,-1162 ; -5010,-912 -174,-912 ; -5010,-662 -174,-662 ; -5010,-412 -174,-412 ; -5010,-162 -174,-162 ; -5010,88 -174,88 ; -5010,338 -174,338 ; -5010,588 -174,588 ; -5010,838 -174,838 ; -5010,1088 -174,1088 ; -5010,1338 -174,1338 ; -5010,1588 -174,1588 ; -5010,1838 -174,1838 ; -5010,2088 -174,2088 ; -5010,2338 -174,2338 ; -4111,-4662 -4111,2088 ; -2220,-4662 -2220,2088 ; -949,-4662 -949,2088 ; -5010,-4662 -5010,2588 -174,2588 -174,-4662 -5010,-4662 ; -4585.5,-3062 -4535.5,-3062 -4535.5,-3012 -4585.5,-3012 -4585.5,-3062 ; -4585.5,-2812 -4535.5,-2812 -4535.5,-2762 -4585.5,-2762 -4585.5,-2812 ; -4585.5,-2562 -4535.5,-2562 -4535.5,-2512 -4585.5,-2512 -4585.5,-2562 ; -4585.5,-2312 -4535.5,-2312 -4535.5,-2262 -4585.5,-2262 -4585.5,-2312 ; -4585.5,-2062 -4535.5,-2062 -4535.5,-2012 -4585.5,-2012 -4585.5,-2062 ; -4584.12,-4064.56 ccw(c-4584.12,-4037) -4584.12,-4009.44 -4536.88,-4009.44 ccw(c-4536.88,-4037) -4536.88,-4064.56 -4584.12,-4064.56 ; -4582.15,-3814.56 ccw(c-4582.15,-3787) -4582.15,-3759.44 -4538.85,-3759.44 ccw(c-4538.85,-3787) -4538.85,-3814.56 -4582.15,-3814.56 ; -4576.24,-3302.75 ccw(c-4576.24,-3287) -4576.24,-3271.25 -4544.76,-3271.25 ccw(c-4544.76,-3287) -4544.76,-3302.75 -4576.24,-3302.75 ; -4575.26,-4332.28 ccw(c-4575.26,-4287) -4575.26,-4241.72 -4545.74,-4241.72 ccw(c-4545.74,-4287) -4545.74,-4332.28 -4575.26,-4332.28 ; -4566.4,-4562.59 ccw(c-4566.4,-4537) -4566.4,-4511.41 -4554.6,-4511.41 ccw(c-4554.6,-4537) -4554.6,-4562.59 -4566.4,-4562.59 ; -4560.5,-3596.06 cw(c-4560.5,-3537) -4560.5,-3477.94 cw(c-4560.5,-3537) -4560.5,-3596.06
  text "DRILL CHART: TOP to BOTTOM" at -3892,2400.5 h125
  text "ALL UNITS ARE IN MILS" at -3642,2150.5 h125
  text "FIGURE" at -4860.5,1900.5 h125
  text "SIZE" at -3365.5,1900.5 h125
  text "PLATED" at -1884.5,1900.5 h125
  text "QTY" at -711.5,1900.5 h125
  text "8.0" at -3315.5,1650.5 h125
  text "PLATED" at -1884.5,1650.5 h125
  text "1896" at -761.5,1650.5 h125
  text "25.2" at -3365.5,1400.5 h125
  text "PLATED" at -1884.5,1400.5 h125
  text "4" at -611.5,1400.5 h125
  text "27.56" at -3415.5,1150.5 h125
  text "PLATED" at -1884.5,1150.5 h125
  text "36" at -661.5,1150.5 h125
  text "35.43" at -3415.5,900.5 h125
  text "PLATED" at -1884.5,900.5 h125
  text "15" at -661.5,900.5 h125
  text "40.0" at -3365.5,650.5 h125
  text "PLATED" at -1884.5,650.5 h125
  text "10" at -661.5,650.5 h125
  text "40.16" at -3415.5,400.5 h125
  text "PLATED" at -1884.5,400.5 h125
  text "3" at -611.5,400.5 h125
  text "43.31" at -3415.5,150.5 h125
  text "PLATED" at -1884.5,150.5 h125
  text "52" at -661.5,150.5 h125
  text "51.18" at -3415.5,-99.5 h125
  text "PLATED" at -1884.5,-99.5 h125
  text "4" at -611.5,-99.5 h125
  text "59.06" at -3415.5,-349.5 h125
  text "PLATED" at -1884.5,-349.5 h125
  text "1" at -611.5,-349.5 h125
  text "63.0" at -3365.5,-599.5 h125
  text "PLATED" at -1884.5,-599.5 h125
  text "2" at -611.5,-599.5 h125
  text "66.93" at -3415.5,-849.5 h125
  text "PLATED" at -1884.5,-849.5 h125
  text "1" at -611.5,-849.5 h125
  text "90.55" at -3415.5,-1099.5 h125
  text "PLATED" at -1884.5,-1099.5 h125
  text "8" at -611.5,-1099.5 h125
  text "106.3" at -3415.5,-1349.5 h125
  text "PLATED" at -1884.5,-1349.5 h125
  text "5" at -611.5,-1349.5 h125
  text "108.27" at -3465.5,-1599.5 h125
  text "PLATED" at -1884.5,-1599.5 h125
  text "4" at -611.5,-1599.5 h125
  text "137.8" at -3415.5,-1849.5 h125
  text "PLATED" at -1884.5,-1849.5 h125
  text "2" at -611.5,-1849.5 h125
  text "25.59" at -3415.5,-2099.5 h125
  text "NON-PLATED" at -2084.5,-2099.5 h125
  text "1" at -611.5,-2099.5 h125
  text "43.31" at -3415.5,-2349.5 h125
  text "NON-PLATED" at -2084.5,-2349.5 h125
  text "4" at -611.5,-2349.5 h125
  text "62.99" at -3415.5,-2599.5 h125
  text "NON-PLATED" at -2084.5,-2599.5 h125
  text "2" at -611.5,-2599.5 h125
  text "64.0" at -3365.5,-2849.5 h125
  text "NON-PLATED" at -2084.5,-2849.5 h125
  text "2" at -611.5,-2849.5 h125
  text "128.0" at -3415.5,-3099.5 h125
  text "NON-PLATED" at -2084.5,-3099.5 h125
  text "2" at -611.5,-3099.5 h125
  text "47.24x15.75" at -3715.5,-3349.5 h125
  text "PLATED" at -1884.5,-3349.5 h125
  text "4" at -611.5,-3349.5 h125
  text "59.06x59.06" at -3715.5,-3599.5 h125
  text "PLATED" at -1884.5,-3599.5 h125
  text "1" at -611.5,-3599.5 h125
  text "70.87x27.56" at -3715.5,-3849.5 h125
  text "PLATED" at -1884.5,-3849.5 h125
  text "4" at -611.5,-3849.5 h125
  text "74.8x27.56" at -3665.5,-4099.5 h125
  text "PLATED" at -1884.5,-4099.5 h125
  text "1" at -611.5,-4099.5 h125
  text "74.8x45.28" at -3665.5,-4349.5 h125
  text "PLATED" at -1884.5,-4349.5 h125
  text "4" at -611.5,-4349.5 h125
  text "37.4x25.59" at -3665.5,-4599.5 h125
  text "NON-PLATED" at -2084.5,-4599.5 h125
  text "1" at -611.5,-4599.5 h125
20241030-DXF:
  drawing of 7745 lines, arcs and shapes, not listed
  text "+" at 1826.28,-53.77 h50 r90
  text "-" at 1924.71,-53.77 h50 r90
  text "1" at 2047.89,-63.81 h31.5 r90
  text "1" at 2630.45,-63.77 h31.5 r90
  text "GND" at 1331.12,-94.56 h31.5 r90
  text "GND" at 923.88,-96.84 h31.5 r90
  text "GND" at 1123.25,-96.84 h31.5 r90
  text "DIS" at 1523.41,-97.47 h31.5 r90
  text "3V3" at 2227.11,-98.65 h31.5 r90
  text "GND" at 2327.5,-98.65 h31.5 r90
  text "LED" at 1830.22,-136.45 h31.5 r90
  text "LED" at 1932.58,-138.41 h31.5 r90
  text "FC REC" at 1028.52,-180.54 h31.5 r90
  text "CAN_RX" at 2427.9,-181.13 h31.5 r90
  text "CAN_TX" at 2534.19,-181.13 h31.5 r90
  text "PWR BTN" at 829.63,-206.6 h31.5 r90
  text "SYS RST" at 1223.33,-206.6 h31.5 r90
  text "AUTO ON" at 1424.12,-207.59 h31.5 r90
  text "UART TXD" at 1613.64,-233.61 h31.5 r90
  text "UART RXD" at 1716.01,-233.61 h31.5 r90
  text "39" at 3904.66,-313.22 h31.5 r90
  text "40" at 3633.68,-318.57 h31.5 r90
  text "FAN" at 3416.08,-512.04 h31.5
  text "CAM0" at 68.3,-1197.35 h31
  text "CAM1" at 71.21,-2177.39 h31
  text "2" at 3646.48,-2294.99 h31.5 r90
  text "1" at 3917.26,-2307.31 h31.5 r90
  text "PWR" at 3810.29,-2891.21 h31.5
PIN_TOP:
  drawing of 1752 lines, arcs and shapes, not listed
DXF-TOP-1021:
  drawing of 9459 lines, arcs and shapes, not listed
  text "1" at 2275.85,-498.31 h25 r180
  text "1" at 1163.85,-578.31 h25 r180
  text "22" at 226.53,-588.51 h15 r270
  text "3" at 2388.92,-608.62 h25 r180
  text "2" at 2279.51,-650.87 h25 r180
  text "3" at 1276.92,-688.62 h25 r180
  text "20" at 3500.63,-693.39 h9.25 r270
  text "16" at 3571.5,-693.39 h9.25 r270
  text "3" at 1742.62,-729.08 h25 r270
  text "3" at 1878.62,-729.08 h25 r270
  text "2" at 1167.51,-730.87 h25 r180
  text "1" at 3453.39,-732.76 h9.25 r270
  text "15" at 3614.8,-740.63 h9.25 r270
  text "11" at 3614.8,-807.56 h9.25 r270
  text "5" at 3453.39,-811.5 h9.25 r270
  text "2" at 1784.87,-838.49 h25 r270
  text "2" at 1920.87,-838.49 h25 r270
  text "1" at 1632.31,-842.15 h25 r270
  text "1" at 1768.31,-842.15 h25 r270
  text "6" at 3500.63,-858.74 h9.25 r270
  text "10" at 3579.37,-858.74 h9.25 r270
  text "20" at 3500.63,-1061.39 h9.25 r270
  text "16" at 3571.5,-1061.39 h9.25 r270
  text "1" at 3453.39,-1100.76 h9.25 r270
  text "15" at 3614.8,-1108.63 h9.25 r270
  text "11" at 3614.8,-1175.56 h9.25 r270
  text "5" at 3453.39,-1179.5 h9.25 r270
  text "1" at 1259.81,-1217 h12 r90
  text "6" at 3500.63,-1226.74 h9.25 r270
  text "10" at 3579.37,-1226.74 h9.25 r270
  text "20" at 3500.63,-1433.39 h9.25 r270
  text "16" at 3571.5,-1433.39 h9.25 r270
  text "1" at 3453.39,-1472.76 h9.25 r270
  text "15" at 3614.8,-1480.63 h9.25 r270
  text "11" at 3614.8,-1547.56 h9.25 r270
  text "5" at 3453.39,-1551.5 h9.25 r270
  text "22" at 230.53,-1576.51 h15 r270
  text "6" at 3500.63,-1598.74 h9.25 r270
  text "10" at 3579.37,-1598.74 h9.25 r270
  text "1" at 260.65,-2629.42 h50
  text "A1" at 3510.75,-2737.44 h10
  text "A12" at 3723.35,-2737.44 h10
  text "6" at 475.59,-2780.96 h31
  text "7" at -32.28,-2788.83 h31
  text "B12" at 3495,-2871.29 h10
  text "B1" at 3719.41,-2871.29 h10
  text "5" at -32.28,-2969.94 h31
  text "4" at 475.59,-2969.94 h31
  text "3" at 144.65,-3253.42 h50
PG_SILKSCREEN_TOP:
  drawing of 2897 lines, arcs and shapes, not listed
  text "12" at 1772.82,983.02 h12 r180
  text "6" at 527.55,692.46 h11.81 r90
  text "5" at 681.1,688.52 h11.81 r90
  text "10" at 1764.95,612.94 h12 r180
  text "1" at 681.1,582.22 h11.81 r90
  text "10" at 527.55,574.35 h11.81 r90
  text "11" at 1108.06,533.1 h12 r180
  text "1" at 1234.2,502.71 h12 r180
  text "9" at 1620.03,494.83 h12 r180
  text "5" at 4654.5,110.61 h9.25 r180
  text "1" at 4733.24,110.61 h9.25 r180
  text "6" at 4607.26,63.37 h9.25 r180
  text "20" at 4772.61,63.37 h9.25 r180
  text "16" at 4772.61,-7.5 h9.25 r180
  text "10" at 4607.26,-15.37 h9.25 r180
  text "11" at 4658.44,-50.8 h9.25 r180
  text "15" at 4725.37,-50.8 h9.25 r180
  text "5" at 4654.5,-157.39 h9.25 r180
  text "1" at 4733.24,-157.39 h9.25 r180
  text "6" at 4607.26,-204.63 h9.25 r180
  text "20" at 4772.61,-204.63 h9.25 r180
  text "16" at 4772.61,-275.5 h9.25 r180
  text "10" at 4607.26,-283.37 h9.25 r180
  text "11" at 4658.44,-318.8 h9.25 r180
  text "15" at 4725.37,-318.8 h9.25 r180
  text "5" at 4654.5,-377.39 h9.25 r180
  text "1" at 4733.24,-377.39 h9.25 r180
  text "6" at 4607.26,-424.63 h9.25 r180
  text "20" at 4772.61,-424.63 h9.25 r180
  text "16" at 4772.61,-495.5 h9.25 r180
  text "10" at 4607.26,-503.37 h9.25 r180
  text "11" at 4658.44,-538.8 h9.25 r180
  text "15" at 4725.37,-538.8 h9.25 r180
  text "3" at 428.62,-641.08 h25 r270
  text "2" at 470.87,-750.49 h25 r270
  text "1" at 318.31,-754.15 h25 r270
  text "POE-RT5400" at 4445.53,-1037.59 h12 r90
  text "4" at 2836.85,-1783.32 h22
  text "4" at 3040.86,-1783.32 h22
  text "4" at 3248.05,-1783.09 h22
  text "4" at 3650.28,-1783.09 h22
  text "3" at 2937.24,-1787.26 h22
  text "3" at 3141.25,-1787.26 h22
  text "3" at 3348.44,-1787.03 h22
  text "3" at 3750.67,-1787.03 h22
  text "1" at 2836.85,-2041.19 h22
  text "2" at 2939.21,-2041.19 h22
  text "1" at 3040.86,-2041.19 h22
  text "2" at 3143.22,-2041.19 h22
  text "1" at 3248.05,-2040.96 h22
  text "2" at 3350.41,-2040.96 h22
  text "1" at 3650.28,-2040.96 h22
  text "2" at 3752.64,-2040.96 h22
  text "19" at 1707.81,-2123.68 h12 r270
  text "18" at 1582.81,-2173.68 h12 r270
  text "4" at -303.71,-2309.42 h25
  text "1" at 4835.34,-2404.93 h50 r180
  text "2" at 1587.81,-2533.68 h12 r270
  text "6" at 5047.94,-2554.54 h50 r180
  text "1" at 1712.81,-2558.68 h12 r270
  text "7" at 4540.07,-2562.41 h50 r180
  text "5" at 4540.07,-2743.52 h50 r180
  text "4" at 5047.94,-2743.52 h50 r180
  text "3" at 4721.17,-3019.11 h50 r180

## Text inside footprints (layer, text, board x,y; h text height)
C124: PIN_NUMBER "2" at 760.8,-2768.44 h12 r90; PIN_NUMBER "1" at 760.8,-2823.56 h12 r90; Bottom Overlay "HDMI_10UF 10V" at 731,-2846 h50 r90
C125: PIN_NUMBER "2" at 1464.8,-2971.56 h12 r270; PIN_NUMBER "1" at 1464.8,-2916.44 h12 r270; Bottom Overlay "DP_10UF 10V" at 1485,-2894 h50 r270
C126: PIN_NUMBER "2" at 556.36,-2048 h12; PIN_NUMBER "1" at 501.24,-2048 h12; Bottom Overlay "22UF 6.3V" at 474,-2023 h50
C127: PIN_NUMBER "2" at 556.36,-1276 h12; PIN_NUMBER "1" at 501.24,-1276 h12; Bottom Overlay "22UF 6.3V" at 474,-1251 h50
C128: PIN_NUMBER "2" at 548.55,-2140 h12; PIN_NUMBER "1" at 517.05,-2140 h12; Bottom Overlay "100NF 10V" at 778.87,-2212.83 h50
C129: PIN_NUMBER "2" at 304.95,-470 h12; PIN_NUMBER "1" at 273.45,-470 h12; Top Overlay "100NF 10V" at 184.87,-397.17 h50
C130: PIN_NUMBER "2" at 1660.19,-916 h25 r180; PIN_NUMBER "1" at 1683.81,-916 h25 r180
C131: PIN_NUMBER "2" at 1660.19,-884 h25 r180; PIN_NUMBER "1" at 1683.81,-884 h25 r180
C132: PIN_NUMBER "2" at 1280.8,-319.75 h12 r270; PIN_NUMBER "1" at 1280.8,-288.25 h12 r270; Bottom Overlay "2.2UF 10V" at 1383.17,-374.87 h50 r270
C133: PIN_NUMBER "2" at 231.81,-1304 h25; PIN_NUMBER "1" at 208.19,-1304 h25
C134: PIN_NUMBER "2" at 211.81,-1088 h25; PIN_NUMBER "1" at 188.19,-1088 h25
C135: PIN_NUMBER "2" at 211.81,-1132 h25; PIN_NUMBER "1" at 188.19,-1132 h25
C136: PIN_NUMBER "2" at 1327.81,-2220 h25; PIN_NUMBER "1" at 1304.19,-2220 h25
C137: PIN_NUMBER "2" at 1327.81,-2252 h25; PIN_NUMBER "1" at 1304.19,-2252 h25
C138: PIN_NUMBER "2" at 1327.81,-2176 h25; PIN_NUMBER "1" at 1304.19,-2176 h25
C139: PIN_NUMBER "2" at 1327.81,-2144 h25; PIN_NUMBER "1" at 1304.19,-2144 h25
C140: PIN_NUMBER "2" at 544.55,-1620 h12; PIN_NUMBER "1" at 513.05,-1620 h12; Bottom Overlay "100NF 10V" at 774.87,-1692.83 h50
C141: PIN_NUMBER "2" at 555.81,-1495 h25; PIN_NUMBER "1" at 532.19,-1495 h25
C142: PIN_NUMBER "2" at 555.81,-1467 h25; PIN_NUMBER "1" at 532.19,-1467 h25
C143: PIN_NUMBER "2" at 555.81,-1396 h25; PIN_NUMBER "1" at 532.19,-1396 h25
C144: PIN_NUMBER "2" at 555.81,-1424 h25; PIN_NUMBER "1" at 532.19,-1424 h25
C145: PIN_NUMBER "2" at 2156.36,-1220 h12; PIN_NUMBER "1" at 2101.24,-1220 h12; Bottom Overlay "10UF 10V" at 2074,-1195 h50
C146: PIN_NUMBER "2" at 2144.55,-1264 h12; PIN_NUMBER "1" at 2113.05,-1264 h12; Bottom Overlay "100NF 10V" at 2374.87,-1336.83 h50
C147: PIN_NUMBER "2" at 2156.36,-556 h12; PIN_NUMBER "1" at 2101.24,-556 h12; Bottom Overlay "10UF 10V" at 2074,-531 h50
C148: PIN_NUMBER "2" at 2144.55,-600 h12; PIN_NUMBER "1" at 2113.05,-600 h12; Bottom Overlay "100NF 10V" at 2374.87,-672.83 h50
C150: PIN_NUMBER "2" at 2504,-1420.19 h25 r90; PIN_NUMBER "1" at 2504,-1443.81 h25 r90
C151: PIN_NUMBER "2" at 2668,-1464.19 h25 r90; PIN_NUMBER "1" at 2668,-1487.81 h25 r90
C152: PIN_NUMBER "2" at 1394.76,-2428 h12; PIN_NUMBER "1" at 1339.64,-2428 h12; Top Overlay "22UF 10V" at 1322,-2453 h50
C153: PIN_NUMBER "2" at 2118.76,-2432 h12; PIN_NUMBER "1" at 2063.64,-2432 h12; Top Overlay "22UF 10V" at 2046,-2457 h50
C158: PIN_NUMBER "2" at 3559.45,-2204 h12 r180; PIN_NUMBER "1" at 3590.95,-2204 h12 r180; Top Overlay "100NF 10V" at 3329.13,-2276.83 h50 r180
C159: PIN_NUMBER "2" at 3559.45,-2240 h12 r180; PIN_NUMBER "1" at 3590.95,-2240 h12 r180; Top Overlay "100NF 10V" at 3329.13,-2312.83 h50 r180
C160: PIN_NUMBER "2" at 1589.45,-1136 h12 r180; PIN_NUMBER "1" at 1620.95,-1136 h12 r180; Top Overlay "100NF 10V" at 1359.13,-1208.83 h50 r180
C161: PIN_NUMBER "2" at 3375.45,-480 h12 r180; PIN_NUMBER "1" at 3406.95,-480 h12 r180; Top Overlay "100NF 10V" at 3145.13,-552.83 h50 r180
C162: PIN_NUMBER "2" at 1747.2,-655.75 h12 r270; PIN_NUMBER "1" at 1747.2,-624.25 h12 r270; Top Overlay "100NF 10V" at 1644.83,-710.87 h50 r270
C163: PIN_NUMBER "1" at 1979.2,-547.75 h12 r90; PIN_NUMBER "2" at 1979.2,-516.25 h12 r90; Top Overlay "100NF 10V" at 1731.17,-461.13 h50 r90
C164: PIN_NUMBER "2" at 1288,-543.81 h25 r270; PIN_NUMBER "1" at 1288,-520.19 h25 r270
C169: PIN_NUMBER "2" at 1696.8,-2971.56 h12 r270; PIN_NUMBER "1" at 1696.8,-2916.44 h12 r270; Bottom Overlay "HDMI_10UF 10V" at 1717,-2894 h50 r270
C371: PIN_NUMBER "2" at 763.45,-1004 h12 r180; PIN_NUMBER "1" at 794.95,-1004 h12 r180; Top Overlay "100NF 10V" at 533.13,-1076.83 h50 r180
C373: PIN_NUMBER "2" at 763.45,-1040 h12 r180; PIN_NUMBER "1" at 794.95,-1040 h12 r180; Top Overlay "100NF 10V" at 533.13,-1112.83 h50 r180
C375: PIN_NUMBER "2" at 763.45,-1076 h12 r180; PIN_NUMBER "1" at 794.95,-1076 h12 r180; Top Overlay "100NF 10V" at 533.13,-1148.83 h50 r180
C377: PIN_NUMBER "2" at 763.45,-1112 h12 r180; PIN_NUMBER "1" at 794.95,-1112 h12 r180; Top Overlay "100NF 10V" at 533.13,-1184.83 h50 r180
C378: PIN_NUMBER "1" at 815.2,-1316.25 h12 r270; PIN_NUMBER "2" at 815.2,-1347.75 h12 r270; Top Overlay "10PF 16V" at 732.83,-1402.87 h50 r270
C379: PIN_NUMBER "1" at 763.45,-1220 h12; PIN_NUMBER "2" at 794.95,-1220 h12; Top Overlay "10PF 16V" at 694.87,-1147.17 h50
C382: PIN_NUMBER "1" at 1135.2,-764.25 h12 r270; PIN_NUMBER "2" at 1135.2,-795.75 h12 r270; Top Overlay "1UF 10V" at 1072.83,-850.87 h50 r270
C388: PIN_NUMBER "2" at 903.2,-1353.56 h12 r270; PIN_NUMBER "1" at 903.2,-1298.44 h12 r270; Top Overlay "10UF 10V" at 883,-1276 h50 r270
C398: PIN_NUMBER "2" at 751.64,-888 h12 r180; PIN_NUMBER "1" at 806.76,-888 h12 r180; Top Overlay "10UF 10V" at 834,-863 h50 r180
C401: PIN_NUMBER "2" at 1347.2,-795.75 h12 r270; PIN_NUMBER "1" at 1347.2,-764.25 h12 r270; Top Overlay "1UF 10V" at 1284.83,-850.87 h50 r270
C402: PIN_NUMBER "2" at 1387.2,-795.75 h12 r270; PIN_NUMBER "1" at 1387.2,-764.25 h12 r270; Top Overlay "1UF 10V" at 1324.83,-850.87 h50 r270
C403: PIN_NUMBER "1" at 1539.2,-655.75 h12 r90; PIN_NUMBER "2" at 1539.2,-624.25 h12 r90; Top Overlay "1UF 10V" at 1331.17,-569.13 h50 r90
C404: PIN_NUMBER "2" at 1237.05,-1020 h12 r180; PIN_NUMBER "1" at 1268.55,-1020 h12 r180; Bottom Overlay "1UF 10V" at 1317.13,-947.17 h50 r180
C405: PIN_NUMBER "2" at 1237.05,-1068 h12 r180; PIN_NUMBER "1" at 1268.55,-1068 h12 r180; Bottom Overlay "1UF 10V" at 1317.13,-995.17 h50 r180
C407: PIN_NUMBER "2" at 980.8,-1216.25 h12 r90; PIN_NUMBER "1" at 980.8,-1247.75 h12 r90; Bottom Overlay "100NF 10V" at 1228.83,-1161.13 h50 r90
C408: PIN_NUMBER "2" at 1235.2,-1347.75 h12 r270; PIN_NUMBER "1" at 1235.2,-1316.25 h12 r270; Top Overlay "100NF 10V" at 1132.83,-1402.87 h50 r270
C409: PIN_NUMBER "2" at 1237.05,-1160 h12 r180; PIN_NUMBER "1" at 1268.55,-1160 h12 r180; Bottom Overlay "100NF 10V" at 1357.13,-1087.17 h50 r180
C410: PIN_NUMBER "2" at 1207.2,-764.25 h12 r90; PIN_NUMBER "1" at 1207.2,-795.75 h12 r90; Top Overlay "100NF 10V" at 959.17,-709.13 h50 r90
C414: PIN_NUMBER "2" at 1237.05,-1116 h12 r180; PIN_NUMBER "1" at 1268.55,-1116 h12 r180; Bottom Overlay "1UF 10V" at 1317.13,-1043.17 h50 r180
C417: PIN_NUMBER "2" at 1055.2,-764.25 h12 r90; PIN_NUMBER "1" at 1055.2,-795.75 h12 r90; Top Overlay "100NF 10V" at 807.17,-709.13 h50 r90
C418: PIN_NUMBER "2" at 1175.2,-1347.75 h12 r270; PIN_NUMBER "1" at 1175.2,-1316.25 h12 r270; Top Overlay "100NF 10V" at 1072.83,-1402.87 h50 r270
C419: PIN_NUMBER "2" at 1243.2,-764.25 h12 r90; PIN_NUMBER "1" at 1243.2,-795.75 h12 r90; Top Overlay "100NF 10V" at 995.17,-709.13 h50 r90
C422: PIN_NUMBER "2" at 1283.2,-795.75 h12 r270; PIN_NUMBER "1" at 1283.2,-764.25 h12 r270; Top Overlay "NC/100NF 10V" at 1120.83,-850.87 h50 r270
D1: PIN_NUMBER "2" at 1954.19,-2944 h30; PIN_NUMBER "1" at 2081.75,-2944 h30; ASSEMBLY_TOP "SOD-123" at 1923.29,-2991.24 h30
D2: PIN_NUMBER "1" at 2971.4,-2048 h15.75 r270; PIN_NUMBER "2" at 2971.4,-2016 h15.75 r270
D3: PIN_NUMBER "1" at 2843.4,-1516 h15.75 r90; PIN_NUMBER "2" at 2843.4,-1548 h15.75 r90
D4: PIN_NUMBER "1" at 2959.4,-1440 h15.75 r90; PIN_NUMBER "2" at 2959.4,-1472 h15.75 r90
D5: PIN_NUMBER "1" at 597.2,-2480 h20 r180; PIN_NUMBER "2" at 426.8,-2480 h20 r180
D6: PIN_NUMBER "2" at 310.02,-2051.49 h8; PIN_NUMBER "1" at 276.56,-2051.49 h8; ASSEMBLY_TOP "ESD5311N" at 214.2,-2064.1 h26
D7: PIN_NUMBER "2" at 310.02,-2002.49 h8; PIN_NUMBER "1" at 276.56,-2002.49 h8; ASSEMBLY_TOP "ESD5311N" at 214.2,-2015.1 h26
D8: PIN_NUMBER "2" at 310.02,-1966.49 h8; PIN_NUMBER "1" at 276.56,-1966.49 h8; ASSEMBLY_TOP "ESD5311N" at 214.2,-1979.1 h26
D9: PIN_NUMBER "2" at 310.02,-1917.49 h8; PIN_NUMBER "1" at 276.56,-1917.49 h8; ASSEMBLY_TOP "ESD5311N" at 214.2,-1930.1 h26
D10: PIN_NUMBER "2" at 310.02,-1881.49 h8; PIN_NUMBER "1" at 276.56,-1881.49 h8; ASSEMBLY_TOP "ESD5311N" at 214.2,-1894.1 h26
D11: PIN_NUMBER "1" at 3646.31,-2679.76 h8 r270; PIN_NUMBER "2" at 3646.31,-2713.22 h8 r270; ASSEMBLY_TOP "ESD5311N" at 3553.7,-2697.4 h26 r270